# KiCad board A0180_eol_ecu_mix.kicad_pcb (continued)
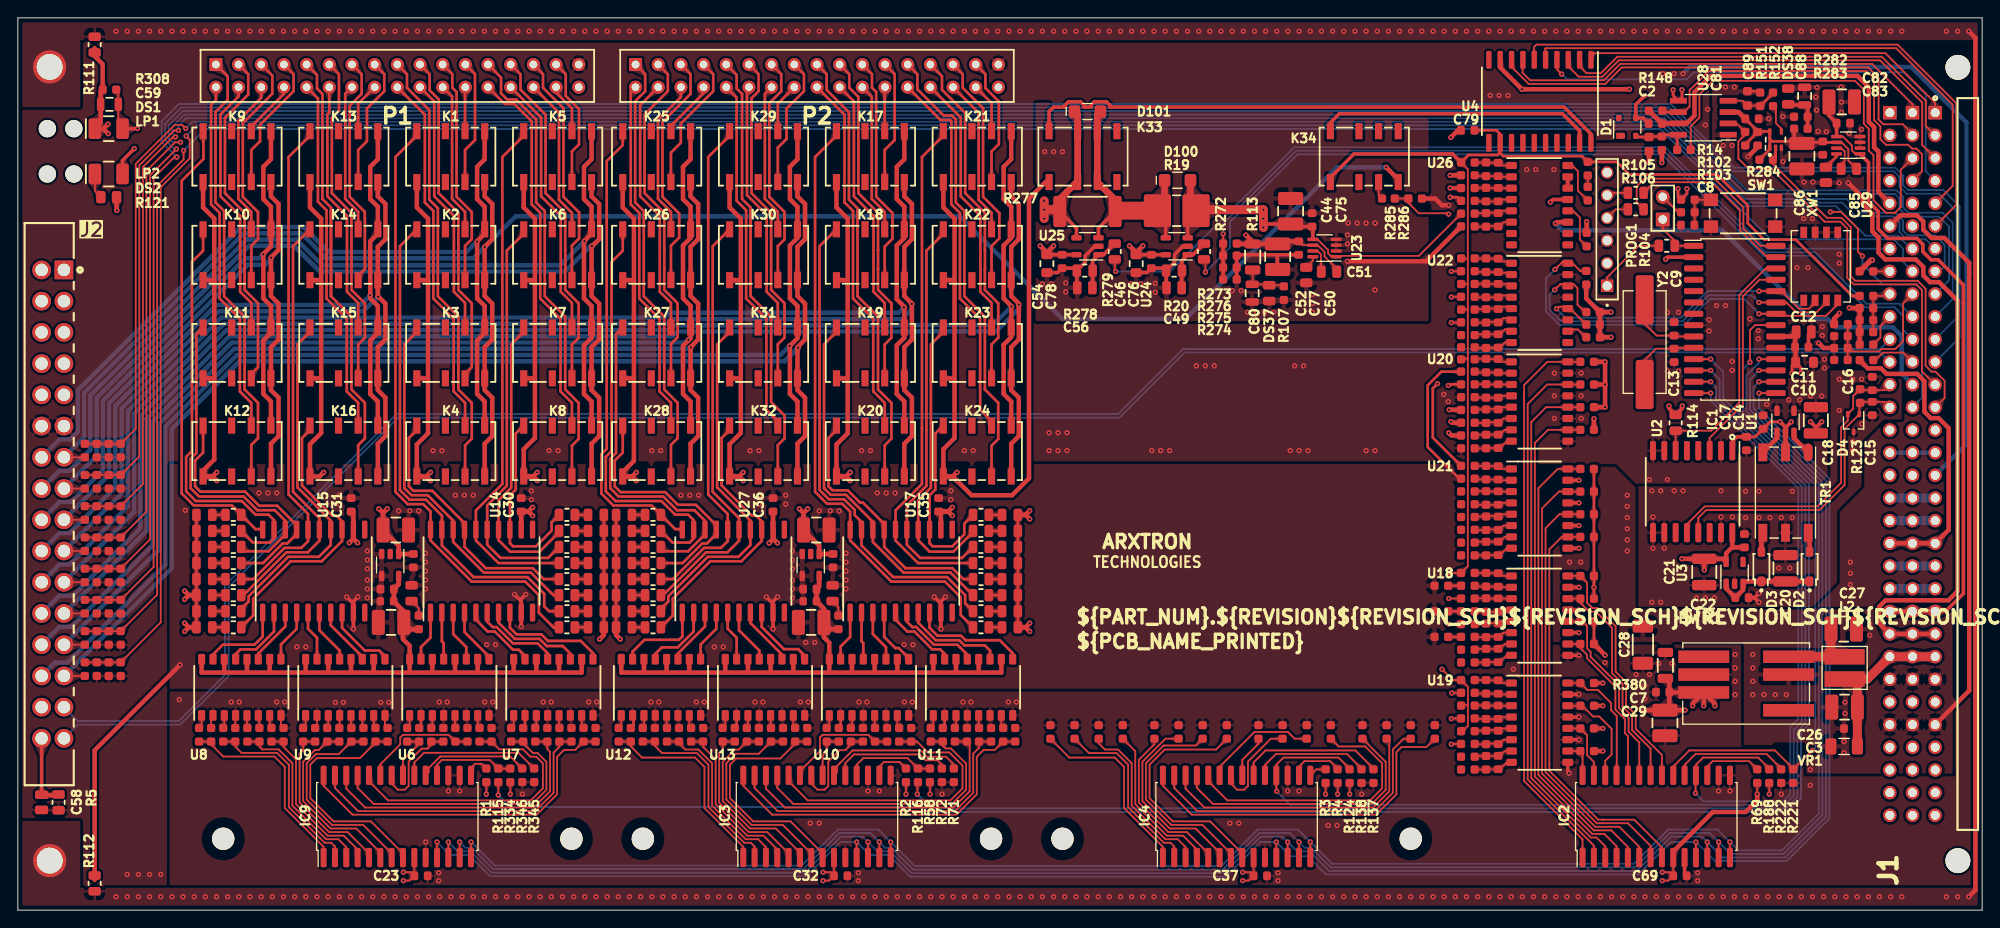
[diagram p0: board, top side]
## Nets (continued)
Net-(R75-Pad2): R75.2 U10.5
Net-(R76-Pad2): R76.2 U10.7
Net-(R77-Pad2): R77.2 U11.1
Net-(R78-Pad2): R78.2 U11.3
Net-(R79-Pad2): R79.2 U11.5
Net-(R80-Pad2): R80.2 U11.7
Net-(R81-Pad2): R81.2 U12.1
Net-(R82-Pad2): R82.2 U12.3
Net-(R83-Pad2): R83.2 U12.5
Net-(R84-Pad2): R84.2 U12.7
Net-(R85-Pad2): R85.2 U13.1
Net-(R86-Pad2): R86.2 U13.3
Net-(R87-Pad2): R87.2 U13.5
Net-(R88-Pad2): R88.2 U13.7
Net-(R146-Pad1): R146.1 U26.16
Net-(R146-Pad2): R146.2 R147.1
Net-(R156-Pad1): R156.1 U26.12
Net-(R268-Pad2): R268.2 U22.10
Net-(U1-D1): TR1.3 U1.1
Net-(U1-D2): TR1.1 U1.3
Net-(U4-1C): K33.8 U4.20
Net-(U4-2C): K34.8 U4.19
Net-(U23-ADJ): C51.1 U23.7
Net-(U23-REF/BYP): C50.2 U23.8
Net-(U26-Pad14): U26.14 U26.15
Net-(U29-ADJ): C85.1 U29.7
Net-(U29-REF/BYP): C84.2 U29.8
Net-(U30-Y): R152.1 U30.4

Pads without a net: D1 1 4; IC1 3 4 5 6 7; J1 A27 A29 A30 B27 B29 B30 C27 C29 C30; J2 30; K1 2 7; K2 2 7; K3 2 7; K4 2 7; K5 2 7; K6 2 7; K7 2 7; K8 2 7; K9 2 7; K10 2 7; K11 2 7; K12 2 7; K13 2 7; K14 2 7; K15 2 7; K16 2 7; K17 2 7; K18 2 7; K19 2 7; K20 2 7; K21 2 7; K22 2 7; K23 2 7; K24 2 7; K25 2 7; K26 2 7; K27 2 7; K28 2 7; K29 2 7; K30 2 7; K31 2 7; K32 2 7; K33 4 5; K34 2 5 6 7; PROG1 6; PWR1 4 5; R259 1; R260 1; SW1 4; U2 4 5 11 14; U3 4; U4 10 11 13 14 15 16 17 18; U5 2; U14 10 11; U15 10 11; U16 2; U17 10 11; U22 9; U26 7 8 9 10; U27 10 11; XW1 A4 B4

## Via types
v1: diameter 0.6, hole 0.25, Top to Bottom, 884 vias

## Routing (per net, layer and track width the routed paths; a pad name or vN(x,y) marks a point on that pad's centre or on a via; arc(x,y) is an arc through that point)
/3V3: length 163.4
  Top w0.2: C32.1 90.86,3.31 v1(90.18,3.31) ; C32.1 91,4.25 v1(90.18,4.25) ; C32.1 IC3.9 ; v1(184.18,4.25) 185,4.25 C69.1 ; C37.1 138,4.25 v1(137.18,4.25) ; C37.1 IC4.9 ; C37.1 137.86,3.31 v1(137.18,3.31) ; C69.1 184.86,3.31 v1(184.18,3.31) ; C69.1 IC2.9 ; 55.16,14.26 v1(55.16,13) ; C23.1 44,4.25 v1(43.17,4.25) ; C23.1 IC9.9 ; C23.1 43.86,3.31 v1(43.17,3.31) ; v1(52.47,13) 52.48,13.01 52.48,14.26 ; 196.16,14.26 v1(196.16,13) ; v1(146.46,13) 146.47,13.01 R3.1 ; 149.16,14.26 v1(149.16,13) ; v1(147.81,13) 147.82,13.01 147.82,14.26 ; 99.48,14.26 99.48,13.01 v1(99.47,13) ; 102.16,14.26 v1(102.16,13) ; R69.2 v1(194.81,13)
  Top w0.3: v1(197.38,54.73) 196.25,54.73 C14.1 194.57,53.05 193.38,53.05 ; v1(198.71,60.17) 198.71,61 C10.1 199.71,60.81 v1(199.71,60.17) ; R230.1 R232.1 R234.1 R236.1 R195.1 v1(176.52,36.16) R197.1 ; v1(186.94,80.85) 186.94,80.28 R102.2 185.94,79.97 v1(185.94,80.85) ; R201.1 R199.1
  Top w0.4: 201.38,54.08 201.38,53.42 201.38,54 ; 201.38,54.08 201.38,54.14 v1(200.78,54.73) ; 201.38,54.08 v1(202.03,54.73) ; U2.1 192.02,52.55 192.53,53.05 193.38,53.05 ; v1(197.38,54.73) 197.97,54.14 U1.2 197.97,54.08 v1(198.63,54.73) ; v1(160.41,80.92) R142.1 ; v1(186.42,56.5) 186.42,56.25 R114.1 184.92,56.25 v1(184.92,56.5) ; v1(177.52,17.83) R202.1 ; v1(177.52,22.91) R198.1 ; v1(177.52,20.37) R200.1 ; v1(177.52,25.45) R196.1
  Top w0.5: v1(187.57,22.9) 187.57,23.15 PWR1.7 ; v1(188.82,22.9) PWR1.7 ; PWR1.7 190.07,23.15 v1(190.07,22.9) ; PWR1.7 185,24.4 ; v1(177.77,28.58) R201.1 ; C12.1 198.66,64.3 IC1.20 ; R233.1 v1(177.77,56.37) v1(177.77,58.91) ; R266.1 R267.1 R268.1 v1(178.44,64.2) ; R266.1 v1(178.44,67.02) ; R266.1 175.66,68.54 R265.1 ; R380.1 184.97,25.53 C7.1 184.97,22.9 C29.1 ; C10.1 199.11,63.04 ; v1(177.77,58.91) v1(177.77,61.45) R229.1 ; v1(177.77,58.91) R231.1 ; 185.41,6.57 189.83,11 193.5,11 194.81,12.31 v1(194.81,13) ; C11.1 199.05,64.68 ; v1(186.72,22.41) C29.1 ; C29.1 v1(182.22,22.41) ; R235.1 v1(176.52,55.08) ; U1.2 TR1.2
  In2.Cu w0.3: PROG1.2 174.35,72.5 165.68,81.17 160.66,81.17 v1(160.41,80.92) ; v1(177.77,28.58) R201.1 v1(176.52,36.16)
/5V_NI: length 113.6
  Top w0.3: v1(159,59) 158.47,58.47 158.47,52.95 R211.1
  Top w0.5: J1.C5 208.38,80.49 208.38,85.02 207.9,85.5 207.9,87.76 207.3,88.36 207.3,92.23 206.04,93.49 201.09,93.49 199.15,93.49 199.15,93.49 189.61,93.49 187.78,91.66 187.78,89.05 186.9,88.17 U28.7 184.16,88.17 ; 184.11,88.16 R148.2
  In2.Cu w0.5: J1.C5 206.7,76.25 203.5,76.25 201.65,74.4 188.4,74.4 179.5,65.5 175,65.5 171.5,62 161.4,62 159,59.6 v1(159,59)
/24V_PWR: length 629.6
  Top w0.2: 162.41,23 162.41,20.66 161.81,20.06 ; 162.41,23 161.72,23 ; 162.41,23 162.41,25.03 R179.1 160.71,25.79 v1(159.5,27) ; 162.4,61.75 162.35,61.79 161.64,61.79 ; 162.4,61.75 162.4,38.55 R171.1 160.31,37.79 ; 162.4,61.75 162.4,67.5 ; R257.1 162.34,67.31 162.4,67.25 162.4,70.25 ; 162.4,73 161.68,73 ; 162.4,73 162.4,70.25 ; 162.4,73 162.4,83.03 R6.1 ; R255.1 162.32,70.17 162.4,70.25 ; R173.1 160.31,34.92 ; R175.1 160.31,32.06
  Top w0.3: DS11.2 DS12.2 DS13.2 DS14.2 DS15.2 DS16.2 DS17.2 DS18.2 ; 162.95,87.4 165.59,87.4 166,87 166,84.9 165.72,84.63 162.48,84.63 R6.1 ; DS19.2 DS20.2 DS21.2 DS22.2 DS23.2 DS24.2 DS25.2 DS26.2 ; 166,86.2 166,84.86 166.36,84.5 175.18,84.5 R147.2 179.09,83.86 180.51,82.44 190.31,82.44 193.75,79 193.75,76.99 195.6,75.14 199.12,75.14 205.43,68.83 R17.2 ; 65.63,31.9 DS4.2 DS5.2 DS6.2 DS7.2 DS8.2 DS9.2 DS10.2 ; DS27.2 DS28.2 DS29.2 DS30.2 DS31.2 DS32.2 DS33.2 DS34.2
  Top w0.4: K34.1 147,82.1 149.65,84.75 160.68,84.75 R6.1
  Top w0.5: 45.94,59.5 45.94,53.44 44.69,52.19 K4.1 ; 45.94,59.5 45.94,70.5 ; 45.94,59.5 45.84,59.6 K3.1 ; 57.91,70.5 57.81,70.6 K6.1 ; 57.91,70.5 57.91,59.5 ; 57.91,70.5 57.91,77.5 56.66,78.75 K5.1 ; 84.61,41.61 v1(84.14,41.14) ; 84.61,41.61 84.61,42.67 84.61,41.61 ; 84.61,41.61 v1(85.08,41.14) ; K27.1 68.9,59.6 69,59.5 ; 57.19,44.67 56.13,44.67 57.19,44.67 ; 57.19,44.67 v1(57.66,45.14) ; 57.19,44.67 v1(57.66,44.21) ; 69,70.5 68.9,70.6 K26.1 ; 69,70.5 69,59.5 ; 69,70.5 69,77.5 67.75,78.75 K25.1 ; 80.97,70.5 80.97,59.5 ; 80.97,70.5 80.87,70.6 79.72,70.6 ; 80.97,70.5 80.97,77.5 79.72,78.75 79.72,81.6 ; 80.97,59.5 80.87,59.6 79.72,59.6 ; 80.97,59.5 80.97,53.47 79.72,52.22 79.72,48.6 ; 67.75,49.09 69,50.35 69,59.5 ; 79.72,48.6 80.78,48.6 ; 79.72,48.6 80.78,48.6 ; 80.78,48.6 v1(81.25,48.13) ; 80.78,48.6 v1(81.25,49.07) ; 22,59.5 22,50.51 20.75,49.25 K12.1 ; 22,59.5 21.9,59.6 K11.1 ; 22,59.5 22,70.5 ; 67,30.84 67,31.9 67,30.84 ; 67,30.84 v1(67.47,30.37) ; 92.94,70.5 92.94,77.5 91.69,78.75 K17.1 ; 92.94,70.5 92.94,59.5 ; 92.94,70.5 92.84,70.6 K18.1 ; K12.1 21.81,48.6 ; K12.1 21.81,48.6 ; 21.81,48.6 v1(22.28,49.07) ; 21.81,48.6 v1(22.28,48.13) ; K23.1 104.81,59.6 104.91,59.5 ; 37.58,44.67 37.58,42.7 ; 37.58,42.7 37.58,41.64 ; 37.58,42.7 37.58,41.64 ; 45.94,70.5 45.94,77.5 44.69,78.75 K1.1 ; 45.94,70.5 45.84,70.6 K2.1 ; K8.1 57.72,48.6 ; K8.1 57.72,48.6 ; K8.1 56.66,51.66 57.91,52.91 57.91,59.5 ; 57.72,48.6 v1(58.19,48.13) ; 57.72,48.6 v1(58.19,49.07) ; 33.97,70.5 33.97,59.5 ; 33.97,70.5 33.87,70.6 K14.1 ; 33.97,70.5 33.97,77.5 32.72,78.75 K13.1 ; 33.97,59.5 33.87,59.6 K15.1 ; 33.97,59.5 33.97,53.47 32.72,52.22 K16.1 33.78,48.6 v1(34.25,49.07) ; 88,44.51 v1(87.53,44.98) ; 88,44.51 v1(88.47,44.98) ; 88,44.51 88,43.45 88,44.51 ; K9.1 20.75,78.75 22,77.5 22,70.5 ; 68.81,48.6 v1(69.28,48.13) ; 68.81,48.6 K28.1 68.81,48.6 ; 68.81,48.6 v1(69.28,49.07) ; 57.91,59.5 57.81,59.6 K7.1 ; 104.19,44.67 C35.2 104.19,44.67 ; 104.19,44.67 v1(104.66,45.14) ; 104.19,44.67 v1(104.66,44.21) ; 65.63,30.84 65.63,31.9 65.63,30.84 ; 65.63,30.84 v1(65.16,30.37) ; 40.9,43.45 40.9,44.51 ; 40.9,43.45 C60.1 42.65,40.85 U5.1 44.2,39.91 ; 40.9,43.45 40.9,44.51 ; 40.9,44.51 v1(41.37,44.98) ; 40.9,44.51 v1(40.43,44.98) ; 112.86,31.7 111.8,31.7 112.86,31.7 ; 112.86,31.7 v1(113.33,32.17) ; 112.86,31.7 v1(113.33,31.23) ; K21.1 103.66,78.75 104.91,77.5 104.91,70.5 ; K22.1 104.81,70.6 104.91,70.5 ; 45.75,48.6 v1(46.22,49.07) ; 45.75,48.6 K4.1 ; 45.75,48.6 K4.1 ; 45.75,48.6 v1(46.22,48.13) ; K20.1 92.75,48.6 ; K20.1 92.75,48.6 ; K20.1 91.69,52.19 92.94,53.44 92.94,59.5 ; 92.75,48.6 v1(93.22,49.07) ; 92.75,48.6 v1(93.22,48.13) ; 22,70.5 21.9,70.6 K10.1 ; C36.2 84.58,42.7 ; 19.14,35.3 20.2,35.3 19.14,35.3 ; 19.14,35.3 v1(18.67,35.77) ; 19.14,35.3 v1(18.67,34.83) ; 92.94,59.5 92.84,59.6 K19.1 ; 37.58,41.64 v1(38.05,41.17) ; 37.58,41.64 v1(37.11,41.17) ; 19.14,31.7 20.2,31.7 19.14,31.7 ; 19.14,31.7 v1(18.67,31.23) ; 19.14,31.7 v1(18.67,32.17) ; 104.72,48.6 v1(105.19,48.13) 106.82,46.5 111.35,46.5 113.25,48.39 113.25,79.75 115.1,81.6 115.5,81.6 ; 104.72,48.6 v1(105.19,49.07) ; 104.72,48.6 K24.1 ; 104.72,48.6 K24.1 ; 104.91,70.5 104.91,59.5 ; C65.1 89.75,40.85 U16.1 C33.2 ; 103.38,44.67 103.38,42.7 ; K24.1 103.66,51.66 104.91,52.91 104.91,59.5 ; 112.86,44.3 111.8,44.3 112.86,44.3 ; 112.86,44.3 v1(113.33,43.83) ; 112.86,44.3 v1(113.33,44.77) ; 56.38,44.67 56.38,42.7
  Top w1: J1.A25 J1.B25 J1.C25 207.15,25.9 L2.1 ; 206.02,18.35 C3.1 206.02,25.7
  vias: v1(160.25,37.79) v1(160.25,34.92) v1(160.25,32.06)
/CAN/5V_ISO: length 11.3
  Top w0.5: C21.1 190.98,39.38 191.32,39.03 191.32,40 192.02,40.69 ; C21.1 v1(188.88,38.12) ; C21.1 v1(186.38,39.38) ; U2.16 192.02,40.69 ; 192.02,40.69 192.06,40.65 C19.2
/CURRENT_MEAS/5V_AMP: length 47.9
  Top w0.2: C77.2 143.88,74.53 U23.6 145.57,74.53 146.35,73.75 146.35,73.25 147.72,71.89
  Top w0.4: C54.2 C78.2 U25.5 ; U24.5 C76.2 C46.2
  Top w0.5: 136.55,74.66 R113.2 C52.1 ; v1(124.5,74.45) 125.25,73.7 v1(126,74.45) ; v1(116,74.45) 115.25,73.7 v1(114.5,74.45) ; C77.2 141.39,74.95 ; v1(137.55,75.66) 138.3,74.91
  In2.Cu w0.5: v1(137.55,75.66) 136.34,74.45 v1(126,74.45) v1(124.5,74.45) v1(116,74.45) v1(114.5,74.45)
/DC&RSU_SIM_CTRL/5V_SIM: length 24.8
  Top w0.2: U29.6 204.25,86.05 205.01,85.29 205.01,84.01 C85.2
  Top w0.3: 202.68,86.05 199.93,86.05 ; 202.68,86.05 U29.6 ; 202.68,86.05 202.25,86.05 ; U30.5 194.91,87.26 ; U30.5 U30.1 ; U30.5 196.22,86.44 196.51,86.15 199.59,86.15 ; 193.46,85.81 C90.1 ; 194.85,87.31 C81.1 ; 196.22,85.26 R284.2
  Top w0.4: R283.2 198.94,86.42
  Top w0.5: U28.3 192.72,89.44 C81.1
/IO_EXPANDER_#1/5V_CTRL: length 80.1
  Top w0.5: U8.12 25.66,26.62 ; 25.66,26.62 23.12,26.62 ; 25.66,26.62 28.2,26.62 ; U6.14 46.42,26.63 ; 46.42,26.63 48.96,26.63 ; 46.42,26.63 43.88,26.63 ; 23.12,26.62 20.58,26.62 U8.16 ; 23.12,26.62 U8.14 ; U8.10 28.2,26.62 ; 28.2,26.62 32.23,26.62 ; U5.5 42.65,36.52 C25.2 42.11,34.64 42.08,34.62 43.23,33.47 C62.1 43.99,31.49 ; 32.23,26.62 U9.16 ; 32.23,26.62 34.77,26.62 ; U9.14 34.77,26.62 ; 58.02,26.63 60.61,26.63 ; 58.02,26.63 58.07,26.67 U7.14 ; 58.02,26.63 55.53,26.63 55.53,26.67 ; 60.61,26.63 U7.12 ; 60.61,26.63 63.15,26.63 U7.10 ; 34.77,26.62 37.31,26.63 ; 51.5,26.63 55.48,26.63 55.53,26.67 ; 51.5,26.63 U6.10 ; 51.5,26.63 48.96,26.63 ; U9.12 37.31,26.63 ; 37.31,26.63 39.85,26.63 ; 43.99,31.49 45.1,31.49 ; 43.99,31.49 R139.1 ; 55.53,26.67 U7.16 ; U9.10 39.85,26.63 ; 39.85,26.63 43.88,26.63 ; 48.96,26.63 U6.12 ; 43.13,32.25 43.13,30.37 43.88,29.62 U6.16 43.88,26.63
/IO_EXPANDER_#2/5V_CTRL: length 78.7
  Top w0.5: C67.1 90.28,30.57 90.88,29.97 U10.16 90.88,26.62 ; C67.1 90.28,33.78 C70.2 ; C67.1 91.04,31.49 R140.1 ; U11.10 110.15,26.63 107.61,26.63 ; 93.42,26.63 93.42,26.62 90.88,26.62 ; 93.42,26.63 95.96,26.63 ; 93.42,26.63 U10.14 ; 70.12,26.62 72.66,26.62 ; 70.12,26.62 67.58,26.62 U12.16 ; 70.12,26.62 U12.14 ; 72.66,26.62 U12.12 ; 72.66,26.62 75.2,26.62 ; U13.12 84.31,26.62 ; U11.12 107.61,26.63 ; 107.61,26.63 105.02,26.63 ; 95.96,26.63 98.45,26.63 98.5,26.67 ; 95.96,26.63 U10.12 ; U11.16 102.53,26.67 ; 102.53,26.67 102.48,26.63 98.5,26.63 98.5,26.67 ; 102.53,26.67 102.53,26.63 105.02,26.63 ; 89.45,34.62 C34.2 89.75,36.28 U16.5 ; U10.10 98.5,26.67 ; 86.8,26.62 86.85,26.67 U13.10 ; 86.8,26.62 84.31,26.62 ; 86.8,26.62 90.88,26.62 ; 84.31,26.62 81.77,26.62 ; 81.77,26.62 U13.14 ; 81.77,26.62 79.18,26.62 ; U11.14 105.07,26.67 105.02,26.63 ; 89.45,35.12 89.44,35.12 ; U13.16 79.23,26.67 79.18,26.62 ; 79.18,26.62 75.2,26.62 ; 75.2,26.62 U12.10
GND_3V3: length 145.1
  Top w0.2: 33.5,22.18 33.5,20.62 ; R337.2 21.65,21.98 ; 41.12,22.18 41.12,20.7 ; R339.2 27.05,22.06 ; 38.58,22.18 38.58,20.54 ; R338.2 24.35,22.14 ; 29.47,20.7 29.47,22.18 ; 36.04,22.18 36.04,20.46
  Top w0.3: R143.1 161.24,79.9 v1(160.41,79.9) ; U11.2 103.8,20.62 R57.2 ; U12.2 68.89,21.83 68.95,21.89 68.95,20.72 R62.2 ; U6.2 45.15,20.62 R328.2 ; U13.2 80.5,20.62 R66.2 ; U10.2 92.15,20.62 R53.2 ; U7.2 56.8,20.62 R332.2
  Top w0.4: U18.11 v1(174.84,31.1) ; U19.9 173.59,15.5 v1(173.74,15.35) ; C12.2 200.55,64.48 C11.2 ; U21.13 v1(174.84,45.64) ; U18.9 v1(174.84,28.56) ; U19.13 v1(174.84,21.64) ; U19.15 v1(174.84,24.18) ; U18.13 v1(174.84,33.64) ; U21.15 v1(174.84,48.18) ; IC2.10 186.68,4.08 ; U18.15 v1(174.84,36.18) ; U19.11 v1(174.84,19.1) ; U21.11 v1(174.84,43.1) ; U21.9 v1(174.84,40.56)
  Top w0.5: v1(11.09,78.41) 11.06,78.44 R121.2
  In1.Cu w0.3: v1(160.41,79.9) 160.76,80.25 173.79,80.25 178,76.04 PROG1.3
  In1.Cu w0.4: v1(182.72,48.25) 182.66,48.18 v1(174.84,48.18) v1(174.84,45.64) v1(174.84,43.1) v1(174.84,40.56) ; v1(174.84,28.56) v1(174.84,31.1) v1(174.84,33.64) v1(174.84,36.18)
  In1.Cu w0.5: v1(11.09,78.41) 11.09,30.3 17.8,23.59 v1(18.08,23.59)
  vias: v1(23.9,23.32) v1(24.79,23.32) v1(28.98,23.32) v1(29.87,23.32) v1(35.57,23.29) v1(36.46,23.29) v1(40.65,23.29) v1(41.54,23.29) v1(45.67,7.64) v1(47.14,4.19) v1(47.14,3.31) v1(47.2,23.32) v1(48.09,23.32) v1(48.22,13.36) v1(49.48,13.36) v1(52.28,23.32) v1(53.17,23.32) v1(56.51,13) v1(58.85,23.32) v1(59.74,23.32) v1(63.93,23.32) v1(64.82,23.32) v1(70.9,23.32) v1(71.79,23.32) v1(75.98,23.32) v1(76.87,23.32) v1(82.55,23.32) v1(83.44,23.32) v1(87.63,23.32) v1(88.52,23.32) v1(88.75,9.75) v1(89.75,9.75) v1(94.13,4.19) v1(94.13,3.31) v1(94.2,23.32) v1(95.09,23.32) v1(95.22,13.36) v1(96.49,13.36) v1(99.28,23.32) v1(100.17,23.32) v1(103.51,13) v1(105.85,23.32) v1(106.74,23.32) v1(110.93,23.32) v1(111.82,23.32) v1(135.75,9.75) v1(136.75,9.75) v1(141.13,4.19) v1(141.13,3.31) v1(142.22,13.36) v1(143.49,13.36) v1(146.75,9.5) v1(147.75,9.5) v1(150.51,13) v1(167.5,27) v1(169,83) v1(170,83) v1(172.04,83) v1(172.09,60.18) v1(172.09,57.64) v1(172.09,55.1) v1(175.09,60.18) v1(175.09,57.64) v1(175.09,55.1) v1(177.75,27.75) v1(181.25,26.42) v1(182.22,25.18) v1(182.22,23.68) v1(182.75,26.42) v1(183.77,27.63) v1(184.75,48.25) v1(184.75,67) v1(184.75,60.42) v1(185.27,27.63) v1(186,67) v1(186,60.42) v1(188.13,4.19) v1(188.13,3.31) v1(189.42,66.16) v1(189.42,64.91) v1(190.25,67.75) v1(190.49,13.36) v1(191.25,67.75) v1(191.75,13.36) v1(192,61.5) v1(192,60.5) v1(192.32,28.65) v1(192.32,27.15) v1(192.32,25.65) v1(192.32,24.15) v1(194,66.25) v1(194.93,64.95) v1(194.93,64.05) v1(195.88,56.68) v1(197.51,13) v1(198.33,57.19) v1(199.25,72) v1(199.58,57.19) v1(200,77.5) v1(200.5,72) v1(200.78,57.61) v1(200.75,14) v1(201,77.5) v1(202.03,57.61) v1(202.1,65.39) v1(202.1,64.39) v1(202.34,61.75) v1(202.34,60.75) v1(204,73.5) v1(204,72.5) v1(205.25,39) v1(205.25,37.75) v1(205.25,36.5)
GND_24V: length 315.7
  Top w0.3: R204.1 159.44,60.36 157.9,58.82 157.9,51.9 161.44,48.36 ; v1(186.38,91.94) 186.38,91.12 U28.5 185.38,91.31 v1(185.38,91.94)
  Top w0.4: 84.58,33.3 84.58,34.35 v1(83.83,35.1) ; 84.58,33.3 84.58,34.6 v1(85.08,35.1) ; 84.58,33.3 v1(84.58,31.5) ; 103.38,33.3 103.38,34.35 v1(102.63,35.1) ; 103.38,33.3 103.38,34.6 v1(103.88,35.1) ; 103.38,33.3 v1(103.38,31.5) ; v1(182.22,91.3) 181.2,90.28 D1.3 182.04,88.78 C2.2 ; 37.58,33.3 v1(37.58,31.5) ; 37.58,33.3 37.58,34.35 v1(36.83,35.1) ; 37.58,33.3 37.58,34.6 v1(38.08,35.1) ; v1(56.88,35.38) 56.38,34.88 56.38,33.58 ; 56.38,33.58 v1(56.38,31.78) ; 56.38,33.58 56.38,34.63 v1(55.63,35.38)
  Top w0.5: v1(10.13,87.02) 9.56,87.58 DS1.1 9.27,88.23 C59.2 9.27,91.72 R308.2 9.5,94.8 8.6,95.7 8.6,96.62 ; v1(182.7,83.78) 182.69,83.78 C1.1 ; R13.2 R18.1 R16.1 R15.1 205.16,67.47 v1(205.12,67.51) ; v1(160.41,82.36) R141.1 ; C79.2 161.3,87.4 v1(160.5,86.6) ; R149.2 184.12,83.9 ; U4.9 166.03,94.43 v1(168.46,92) v1(180.5,92) ; J1.A28 218.55,24.6 218.55,72.55 215.76,75.33 214.34,75.33 213.4,76.27 213.4,77.17 212.7,77.87 210.86,77.87 J1.C6 ; v1(10.1,88.09) 9.54,87.52 8.6,87.52 ; 8.6,3.38 8.6,17.93 v1(18.15,27.48)
  In1.Cu w0.4: 182.24,91.94 182.22,91.93 v1(182.22,91.3)
  In1.Cu w0.5: v1(182.7,83.78) v1(184.12,83.78) 185.63,85.29 185.63,91.94 ; 185.63,91.94 181.59,91.94 181.53,92 v1(180.5,92) ; 185.63,91.94 v1(186.38,91.94) 189.69,95.25 208.45,95.25 210.96,92.73 210.96,77.97 J1.C6 207.67,76.67 204.97,73.97 204.97,67.66 v1(205.12,67.51) ; v1(160.41,82.36) 160.41,86.51 v1(160.5,86.6) 164,86.6 168.46,91.06 v1(168.46,92) ; v1(10.1,88.09) 10.13,88.06 v1(10.13,87.02) 10.13,82.87 18.75,74.25 v1(18.75,44.8)
  vias: v1(27,46.75) v1(28,46.75) v1(29,46.75) v1(31.25,29.5) v1(32.25,29.5) v1(36,46.5) v1(36,45.5) v1(39.15,40.25) v1(39.15,39.25) v1(39.15,38.25) v1(39.15,37) v1(39.15,36) v1(39.15,35) v1(42.65,44.75) v1(43.9,44.75) v1(44.9,44.75) v1(45.65,40) v1(45.65,39) v1(45.65,38) v1(45.65,37) v1(45.65,36) v1(49,46.5) v1(50,46.5) v1(51,46.5) v1(52.5,29.75) v1(53.5,29.75) v1(57.5,47) v1(57.5,46) v1(74.25,46.5) v1(75.25,46.5) v1(76.25,46.5) v1(78,29.5) v1(79,29.5) v1(83,46.5) v1(83,45.5) v1(86,46.5) v1(86,45.5) v1(86.75,40.25) v1(86.75,39.25) v1(86.75,38.25) v1(86.75,37) v1(86.75,36) v1(86.75,35) v1(88.25,30) v1(89.25,30) v1(89.75,44.75) v1(91,44.75) v1(92,44.75) v1(92.75,40) v1(92.75,39) v1(92.75,38) v1(92.75,37) v1(92.75,36) v1(96.25,46.75) v1(97.25,46.75) v1(98.25,46.75) v1(99.25,29.75) v1(100.25,29.75) v1(104.5,47) v1(104.5,46) v1(173.79,39) v1(175.04,39) v1(180.25,46.5) v1(180.25,45.25) v1(180.25,44) v1(180.25,42.75) v1(180.25,41.5) v1(180.25,40.25) v1(194.32,28.65) v1(194.32,27.15) v1(194.32,25.65) v1(194.32,24.15) v1(195.57,24.15) v1(196.82,24.15) v1(198.07,24.15) v1(200.75,15.75) v1(204.52,18.9) v1(204.52,17.65) v1(204.63,23.3) v1(204.63,22.05) v1(207.4,32.05) v1(207.4,30.8)
GND_CAN: length 2.7
  Top w0.4: v1(195,34.5) 194.47,35.03 C22.2 194.53,35.03 v1(195,35.5)
  vias: v1(183,47) v1(183,34.5) v1(183.13,44.06) v1(183.13,40.56) v1(184,47) v1(184,34.5) v1(184.4,40.56) v1(185.5,47) v1(186.5,47) v1(188,35) v1(189,35) v1(190,35) v1(190.75,47) v1(190.75,44.06) v1(192.02,44.06) v1(193.5,46.94) v1(193.5,44) v1(195,46.94) v1(195,44) v1(196.23,44) v1(197.22,38.34) v1(197.5,44) v1(198.45,38.34) v1(198.73,46.94) v1(198.73,44) v1(204,59.5) v1(204,56) v1(205.5,59.5) v1(205.5,52.5) v1(205.5,51.5) v1(206.5,59.5) v1(206.5,54.5)
GND_ESD: length 97.6
  Top w0.5: v1(218.5,98.5) 219.25,97.75 219.25,2.25 v1(218.5,1.5)
  vias: v1(11,98.5) v1(11,1.5) v1(12.25,98.5) v1(12.25,1.5) v1(13.5,98.5) v1(13.5,1.5) v1(14.75,98.5) v1(14.75,1.5) v1(16,98.5) v1(16,1.5) v1(17.25,98.5) v1(17.25,1.5) v1(18.5,98.5) v1(18.5,1.5) v1(19.75,98.5) v1(19.75,1.5) v1(21,98.5) v1(21,1.5) v1(22.25,98.5) v1(22.25,1.5) v1(23.5,98.5) v1(23.5,1.5) v1(24.75,98.5) v1(24.75,1.5) v1(26,98.5) v1(26,1.5) v1(27.25,98.5) v1(27.25,1.5) v1(28.5,98.5) v1(28.5,1.5) v1(29.75,98.5) v1(29.75,1.5) v1(31,98.5) v1(31,1.5) v1(32.25,98.5) v1(32.25,1.5) v1(33.5,98.5) v1(33.5,1.5) v1(34.75,98.5) v1(34.75,1.5) v1(36,98.5) v1(36,1.5) v1(37.25,98.5) v1(37.25,1.5) v1(38.5,98.5) v1(38.5,1.5) v1(39.75,98.5) v1(39.75,1.5) v1(41,98.5) v1(41,1.5) v1(42.25,98.5) v1(42.25,1.5) v1(43.5,98.5) v1(43.5,1.5) v1(44.75,98.5) v1(44.75,1.5) v1(46,98.5) v1(46,1.5) v1(47.25,98.5) v1(47.25,1.5) v1(48.5,98.5) v1(48.5,1.5) v1(49.75,98.5) v1(49.75,1.5) v1(51,98.5) v1(51,1.5) v1(52.25,98.5) v1(52.25,1.5) v1(53.5,98.5) v1(53.5,1.5) v1(54.75,98.5) v1(54.75,1.5) v1(56,98.5) v1(56,1.5) v1(57.25,98.5) v1(57.25,1.5) v1(58.5,98.5) v1(58.5,1.5) v1(59.75,98.5) v1(59.75,1.5) v1(61,98.5) v1(61,1.5) v1(62.25,98.5) v1(62.25,1.5) v1(63.5,98.5) v1(63.5,1.5) v1(64.75,98.5) v1(64.75,1.5) v1(66,98.5) v1(66,1.5) v1(67.25,98.5) v1(67.25,1.5) v1(68.5,98.5) v1(68.5,1.5) v1(69.75,98.5) v1(69.75,1.5) v1(71,98.5) v1(71,1.5) v1(72.25,98.5) v1(72.25,1.5) v1(73.5,98.5) v1(73.5,1.5) v1(74.75,98.5) v1(74.75,1.5) v1(76,98.5) v1(76,1.5) v1(77.25,98.5) v1(77.25,1.5) v1(78.5,98.5) v1(78.5,1.5) v1(79.75,98.5) v1(79.75,1.5) v1(81,98.5) v1(81,1.5) v1(82.25,98.5) v1(82.25,1.5) v1(83.5,98.5) v1(83.5,1.5) v1(84.75,98.5) v1(84.75,1.5) v1(86,98.5) v1(86,1.5) v1(87.25,98.5) v1(87.25,1.5) v1(88.5,98.5) v1(88.5,1.5) v1(89.75,98.5) v1(89.75,1.5) v1(91,98.5) v1(91,1.5) v1(92.25,98.5) v1(92.25,1.5) v1(93.5,98.5) v1(93.5,1.5) v1(94.75,98.5) v1(94.75,1.5) v1(96,98.5) v1(96,1.5) v1(97.25,98.5) v1(97.25,1.5) v1(98.5,98.5) v1(98.5,1.5) v1(99.75,98.5) v1(99.75,1.5) v1(101,98.5) v1(101,1.5) v1(102.25,98.5) v1(102.25,1.5) v1(103.5,98.5) v1(103.5,1.5) v1(104.75,98.5) v1(104.75,1.5) v1(106,98.5) v1(106,1.5) v1(107.25,98.5) v1(107.25,1.5) v1(108.5,98.5) v1(108.5,1.5) v1(109.75,98.5) v1(109.75,1.5) v1(111,98.5) v1(111,1.5) v1(112.25,98.5) v1(112.25,1.5) v1(113.5,98.5) v1(113.5,1.5) v1(114.75,98.5) v1(114.75,1.5) v1(116,98.5) v1(116,1.5) v1(117.25,98.5) v1(117.25,1.5) v1(118.5,98.5) v1(118.5,1.5) v1(119.75,98.5) v1(119.75,1.5) v1(121,98.5) v1(121,1.5) v1(122.25,98.5) v1(122.25,1.5) v1(123.5,98.5) v1(123.5,1.5) v1(124.75,98.5) v1(124.75,1.5) v1(126,98.5) v1(126,1.5) v1(127.25,98.5) v1(127.25,1.5) v1(128.5,98.5) v1(128.5,1.5) v1(129.75,98.5) v1(129.75,1.5) v1(131,98.5) v1(131,1.5) v1(132.25,98.5) v1(132.25,1.5) v1(133.5,98.5) v1(133.5,1.5) v1(134.75,98.5) v1(134.75,1.5) v1(136,98.5) v1(136,1.5) v1(137.25,98.5) v1(137.25,1.5) v1(138.5,98.5) v1(138.5,1.5) v1(139.75,98.5) v1(139.75,1.5) v1(141,98.5) v1(141,1.5) v1(142.25,98.5) v1(142.25,1.5) v1(143.5,98.5) v1(143.5,1.5) v1(144.75,98.5) v1(144.75,1.5) v1(146,98.5) v1(146,1.5) v1(147.25,98.5) v1(147.25,1.5) v1(148.5,98.5) v1(148.5,1.5) v1(149.75,98.5) v1(149.75,1.5) v1(151,98.5) v1(151,1.5) v1(152.25,98.5) v1(152.25,1.5) v1(153.5,98.5) v1(153.5,1.5) v1(154.75,98.5) v1(154.75,1.5) v1(156,98.5) v1(156,1.5) v1(157.25,98.5) v1(157.25,1.5) v1(158.5,98.5) v1(158.5,1.5) v1(159.75,98.5) v1(159.75,1.5) v1(161,98.5) v1(161,1.5) v1(162.25,98.5) v1(162.25,1.5) v1(163.5,98.5) v1(163.5,1.5) v1(164.75,98.5) v1(164.75,1.5) v1(166,98.5) v1(166,1.5) v1(167.25,98.5) v1(167.25,1.5) v1(168.5,98.5) v1(168.5,1.5) v1(169.75,98.5) v1(169.75,1.5) v1(171,98.5) v1(171,1.5) v1(172.25,98.5) v1(172.25,1.5) v1(173.5,98.5) v1(173.5,1.5) v1(174.75,98.5) v1(174.75,1.5) v1(176,98.5) v1(176,1.5) v1(177.25,98.5) v1(177.25,1.5) v1(178.5,98.5) v1(178.5,1.5) v1(179.75,98.5) v1(179.75,1.5) v1(181,98.5) v1(181,1.5) v1(182.25,98.5) v1(182.25,1.5) v1(183.5,98.5) v1(183.5,1.5) v1(184.75,98.5) v1(184.75,1.5) v1(186,98.5) v1(186,1.5) v1(187.25,98.5) v1(187.25,1.5) v1(188.5,98.5) v1(188.5,1.5) v1(189.75,98.5) v1(189.75,1.5) v1(191,98.5) v1(191,1.5) v1(192.25,98.5) v1(192.25,1.5) v1(193.5,98.5) v1(193.5,1.5) v1(194.75,98.5) v1(194.75,1.5) v1(196,98.5) v1(196,1.5) v1(197.25,98.5) v1(197.25,1.5) v1(198.5,98.5) v1(198.5,1.5) v1(199.75,98.5) v1(199.75,1.5) v1(201,98.5) v1(201,1.5) v1(202.25,98.5) v1(202.25,1.5) v1(203.5,98.5) v1(203.5,1.5) v1(204.75,98.5) v1(204.75,1.5) v1(206,98.5) v1(206,1.5) v1(207.25,98.5) v1(207.25,1.5) v1(208.5,98.5) v1(208.5,1.5) v1(209.75,98.5) v1(209.75,1.5) v1(211,98.5) v1(211,1.5) v1(216,98.5) v1(216,1.5) v1(217.25,98.5) v1(217.25,1.5)
GND_PS: length 121.4
  Top w0.5: v1(160.25,79) 159.5,79 158.75,79.75 R286.1 ; v1(201.69,63.55) 202.24,63 203.42,63
  In1.Cu w0.5: 216.37,56 216.37,55.44 J1.A15 J1.B15 J1.C15 ; 216.37,56 216.37,50.36 J1.A17 J1.B17 J1.C17 ; 216.37,56 216.37,58.96 215.11,60.23 206.89,60.23 203.57,63.55 v1(201.69,63.55)
  Bottom w0.5: v1(186.5,93.75) 187.25,94.5 212.02,94.5 218.25,88.27 218.25,52.24 J1.A17
  vias: v1(12.25,4) v1(13.5,4) v1(14.75,4) v1(16,4) v1(46.5,51.5) v1(47.5,51.5) v1(59.5,51.5) v1(60.5,51.5) v1(71,51.5) v1(72,51.5) v1(82,51.5) v1(83,51.5) v1(94.5,51.5) v1(95.5,51.5) v1(106,51.5) v1(107,51.5) v1(115.5,53.5) v1(115.5,51.5) v1(116.5,53.5) v1(116.5,51.5) v1(117.5,53.5) v1(117.5,51.5) v1(127,51.5) v1(128,51.5) v1(129,51.5) v1(132,61) v1(133,61) v1(134,61) v1(142.5,51.5) v1(143,61) v1(143.5,51.5) v1(144,61) v1(144.5,51.5) v1(151,51.5) v1(152,51.5) v1(159.7,57.8) v1(160.2,57) v1(164.9,91.3) v1(165.9,91.3) v1(166.9,91.3) v1(184.25,93.75) v1(185.5,93.75) v1(189,88) v1(189.25,89.75)
GND_SIM: length 139.3
  Top w0.3: C89.1 194.99,91.78
  Top w0.5: v1(160.5,54.75) 160.62,54.63 R208.1 ; C90.2 194.85,85.51 v1(193.79,84.45) ; J1.A24 J1.B24 J1.C24 208.46,32.15 208.46,33.99 209.19,34.72 216.23,34.72 217.25,35.75 217.25,68.31 215.17,70.39 214.16,70.39 213.4,71.14 213.4,72.09 212.57,72.93 209.16,72.93 208.39,73.69 208.39,75.38 207.7,76.07 207.7,78.05 206.63,79.12 206.63,79.87 v1(205,81.5)
  In1.Cu w0.3: v1(160.5,54.75) 165.06,50.19 198.19,50.19 207.48,40.89 207.48,33.13 J1.C24
  vias: v1(191,85.7) v1(191.25,92.25) v1(192,85.7) v1(192.25,92.25) v1(194.3,81.5) v1(195.3,81.5) v1(196.1,88.7) v1(197.68,88.95) v1(197.7,83.9) v1(200.05,81.6) v1(201.05,81.6) v1(201.38,91.12) v1(201.45,89.65) v1(201.5,92.2) v1(201.62,87.28) v1(202.55,87.25) v1(204,81.5) v1(204.2,92.25) v1(204.25,90.55) v1(204.25,89.42) v1(205.1,87.05) v1(206.5,87.5)
/AI#1+: length 246.4
  Top w0.2: R157.2 R165.1 R158.1 R169.1 13.2,53.95 13.2,83.64 17.55,87.99 18.41,87.99 v1(18.8,87.6)
  Bottom w0.2: J1.A7 213.69,75.18 211.55,75.18 210.75,75.99 210.75,77.07 210.06,77.76 205.84,77.76 204.3,79.3 193.32,79.3 184.27,88.35 19.55,88.35 v1(18.8,87.6)
/AI#1-: length 254
  Top w0.2: R159.2 R170.1 R166.1 R160.1 13.6,50.85 13.6,83.47 17.52,87.39 v1(17.98,87.39)
  Bottom w0.2: 215.19,71.59 215.79,72.19 215.79,74.57 214.74,75.62 211.68,75.62 211.15,76.15 211.15,77.25 210.24,78.16 206.34,78.16 204.8,79.7 193.49,79.7 184.44,88.75 18.81,88.75 17.98,87.92 v1(17.98,87.39)
